# Altium PCB touch-tara-h-3 (final).PcbDoc (part 7 of 8)
Units mm, origin at the board's own origin, x right, y up, seen from the top; angles counter-clockwise.
Board outline 447.8 x 276.35 mm, 2 copper layers (Top Layer, Bottom Layer); 1040 components, 28 nets, 3254 pads, 0 vias.
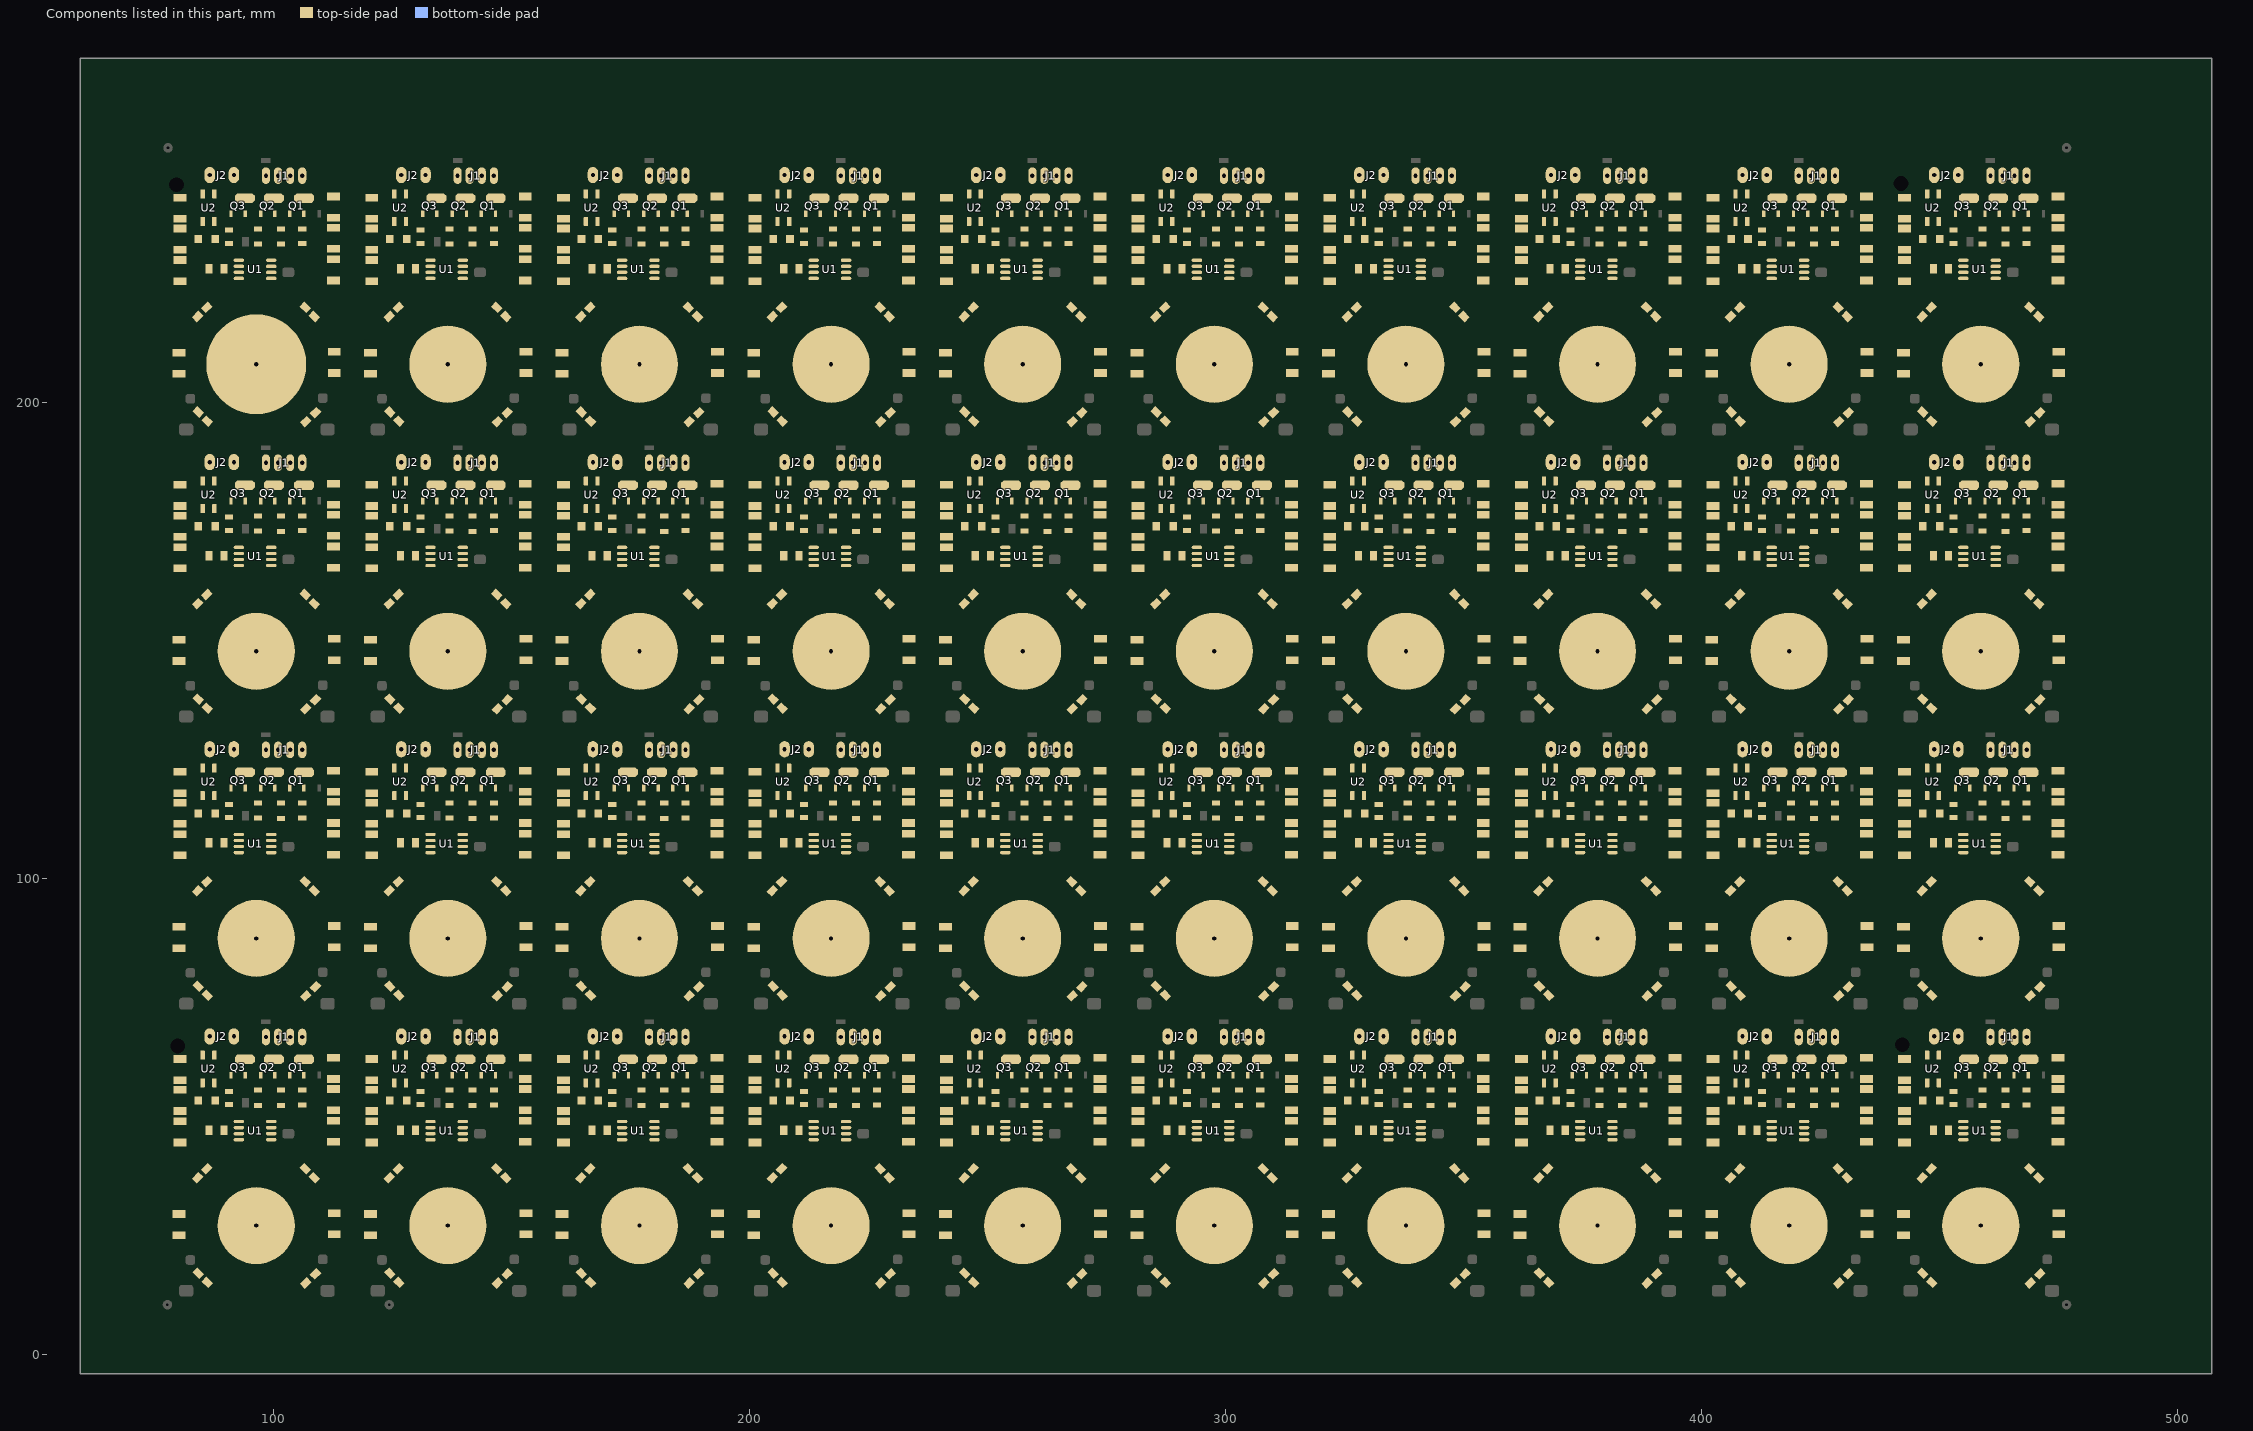
[diagram p7: the components of this part, seen from the top]

## Nets (pads, with @x,y where several pads share a name; then routed paths per layer and width w, separated by ;. In a path a pad name is that pad's centre, name@x,y a point inside that pad or via, vN(x,y) a via of type N, cw(c..) or ccw(c..) an arc to the next point about the centre after c; other vN are vias at no path point) (continued)
copper on no net: (continued)
  Top Layer w0.8: 446.532,234.315 446.532,234.265 446.932,233.865 447.002,233.865 448.056,232.811 448.056,229.252 448.416,228.892 448.416,228.692 448.856,228.252 449.056,228.252 449.056,227.473 450.85,225.679 454.089,225.679 454.37,225.96 ; 447.439,62.871 447.466,62.844 ; 447.439,123.196 447.466,123.169 ; 447.439,183.521 447.466,183.494 ; 447.439,243.846 447.466,243.819 ; 447.466,57.044 447.466,59.645 445.516,61.595 445.516,64.389 444.373,65.532 444.373,69.762 444.842,70.231 460.756,70.231 469.138,70.231 471.614,67.754 ; 447.466,117.369 447.466,119.97 445.516,121.92 445.516,124.714 444.373,125.857 444.373,130.087 444.842,130.556 460.756,130.556 469.138,130.556 471.614,128.079 ; 447.466,177.694 447.466,180.295 445.516,182.245 445.516,185.039 444.373,186.182 444.373,190.412 444.842,190.881 460.756,190.881 469.138,190.881 471.614,188.404 ; 447.466,238.019 447.466,240.62 445.516,242.57 445.516,245.364 444.373,246.507 444.373,250.737 444.842,251.206 460.756,251.206 469.138,251.206 471.614,248.73 ; 448.437,15.113 446.666,13.342 443.999,13.342 443.611,12.954 443.611,12.641 443.54,12.57 472.141,12.57 472.196,12.624 472.999,12.624 473.71,13.335 470.789,13.335 469.138,14.986 ; 448.437,75.438 446.666,73.667 443.999,73.667 443.611,73.279 443.611,72.966 443.54,72.895 472.141,72.895 472.196,72.949 472.999,72.949 473.71,73.66 470.789,73.66 469.138,75.311 ; 448.437,135.763 446.666,133.992 443.999,133.992 443.611,133.604 443.611,133.291 443.54,133.22 472.141,133.22 472.196,133.274 472.999,133.274 473.71,133.985 470.789,133.985 469.138,135.636 ; 448.437,196.088 446.666,194.317 443.999,194.317 443.611,193.929 443.611,193.616 443.54,193.545 472.141,193.545 472.196,193.599 472.999,193.599 473.71,194.31 470.789,194.31 469.138,195.961 ; 448.945,65.823 448.945,66.802 ; 448.945,126.148 448.945,127.127 ; 448.945,186.473 448.945,187.452 ; 448.945,246.798 448.945,247.777 ; 449.916,57.044 449.916,54.259 450.069,54.106 450.069,53.79 450.519,53.34 450.596,53.34 450.85,53.086 450.85,49.403 451.596,48.657 451.596,47.117 ; 449.916,117.369 449.916,114.584 450.069,114.431 450.069,114.115 450.519,113.665 450.596,113.665 450.85,113.411 450.85,109.728 451.596,108.982 451.596,107.442 ; 449.916,177.694 449.916,174.909 450.069,174.756 450.069,174.44 450.519,173.99 450.596,173.99 450.85,173.736 450.85,170.053 451.596,169.307 451.596,167.767 ; 449.916,238.019 449.916,235.234 450.069,235.081 450.069,234.765 450.519,234.315 450.596,234.315 450.85,234.061 450.85,230.378 451.596,229.632 451.596,228.092 ; 449.971,62.844 449.971,63.399 ; 449.971,123.169 449.971,123.724 ; 449.971,183.494 449.971,184.049 ; 449.971,243.819 449.971,244.374 ; 450.352,60.823 451.612,59.563 451.612,56.515 452.757,55.37 452.813,55.37 452.813,55.314 ; 450.352,121.148 451.612,119.888 451.612,116.84 452.757,115.695 452.813,115.695 452.813,115.639 ; 450.352,181.473 451.612,180.213 451.612,177.165 452.757,176.02 452.813,176.02 452.813,175.964 ; 450.352,241.798 451.612,240.538 451.612,237.49 452.757,236.345 452.813,236.345 452.813,236.289 ; 453.263,52.451 453.249,52.437 453.249,51.195 454.578,49.866 454.578,48.995 ; 453.263,112.776 453.249,112.762 453.249,111.52 454.578,110.191 454.578,109.32 ; 453.263,173.101 453.249,173.087 453.249,171.845 454.578,170.516 454.578,169.645 ; 453.263,233.426 453.249,233.412 453.249,232.17 454.578,230.841 454.578,229.97 ; 453.414,58.525 453.414,58.015 456.184,55.245 456.184,53.933 ; 453.414,118.85 453.414,118.34 456.184,115.57 456.184,114.258 ; 453.414,179.175 453.414,178.665 456.184,175.895 456.184,174.583 ; 453.414,239.5 453.414,238.99 456.184,236.22 456.184,234.908 ; 453.585,65.727 453.585,67.124 453.785,67.324 ; 453.585,126.052 453.585,127.449 453.785,127.649 ; 453.585,186.377 453.585,187.774 453.785,187.974 ; 453.585,246.702 453.585,248.099 453.785,248.299 ; 456.414,58.652 456.414,58.19 458.655,55.949 458.655,55.624 458.78,55.499 459.105,55.499 ; 456.414,118.977 456.414,118.515 458.655,116.274 458.655,115.949 458.78,115.824 459.105,115.824 ; 456.414,179.302 456.414,178.84 458.655,176.599 458.655,176.274 458.78,176.149 459.105,176.149 ; 456.414,239.627 456.414,239.165 458.655,236.924 458.655,236.599 458.78,236.474 459.105,236.474 ; 456.565,52.832 456.538,52.875 456.184,53.432 456.184,53.933 ; 456.565,113.157 456.538,113.2 456.184,113.757 456.184,114.258 ; 456.565,173.482 456.538,173.525 456.184,174.082 456.184,174.583 ; 456.565,233.807 456.538,233.85 456.184,234.407 456.184,234.908 ; 457.708,43.18 457.708,45.556 ; 457.708,103.505 457.708,105.881 ; 457.708,163.83 457.708,166.206 ; 457.708,224.155 457.708,226.531 ; 458.978,28.067 458.978,40.386 461.534,42.942 461.534,44.985 ; 458.978,88.392 458.978,100.711 461.534,103.267 461.534,105.31 ; 458.978,148.717 458.978,161.036 461.534,163.592 461.534,165.635 ; 458.978,209.042 458.978,221.361 461.534,223.917 461.534,225.96 ; 459.637,58.652 459.637,57.865 461.518,55.984 461.518,53.933 ; 459.637,118.977 459.637,118.19 461.518,116.309 461.518,114.258 ; 459.637,179.302 459.637,178.515 461.518,176.634 461.518,174.583 ; 459.637,239.627 459.637,238.84 461.518,236.959 461.518,234.908 ; 459.74,47.625 459.359,48.006 459.359,49.403 460.502,50.546 463.208,50.546 463.677,51.015 463.677,52.281 ; 459.74,107.95 459.359,108.331 459.359,109.728 460.502,110.871 463.208,110.871 463.677,111.34 463.677,112.606 ; 459.74,168.275 459.359,168.656 459.359,170.053 460.502,171.196 463.208,171.196 463.677,171.665 463.677,172.931 ; 459.74,228.6 459.359,228.981 459.359,230.378 460.502,231.521 463.208,231.521 463.677,231.99 463.677,233.256 ; 462.637,58.652 462.637,57.682 463.481,56.838 463.481,55.624 463.606,55.499 463.931,55.499 ; 462.637,118.977 462.637,118.007 463.481,117.163 463.481,115.949 463.606,115.824 463.931,115.824 ; 462.637,179.302 462.637,178.332 463.481,177.488 463.481,176.274 463.606,176.149 463.931,176.149 ; 462.637,239.627 462.637,238.657 463.481,237.813 463.481,236.599 463.606,236.474 463.931,236.474 ; 462.722,48.956 466.659,48.956 468.249,50.546 468.249,52.408 ; 462.722,109.281 466.659,109.281 468.249,110.871 468.249,112.733 ; 462.722,169.606 466.659,169.606 468.249,171.196 468.249,173.058 ; 462.722,229.931 466.659,229.931 468.249,231.521 468.249,233.383 ; 465.733,58.779 465.733,57.634 466.217,57.15 466.217,53.933 ; 465.733,119.104 465.733,117.959 466.217,117.475 466.217,114.258 ; 465.733,179.429 465.733,178.284 466.217,177.8 466.217,174.583 ; 465.733,239.754 465.733,238.609 466.217,238.125 466.217,234.908 ; 468.376,55.499 468.632,55.499 468.757,55.624 468.757,58.436 ; 468.376,115.824 468.632,115.824 468.757,115.949 468.757,118.761 ; 468.376,176.149 468.632,176.149 468.757,176.274 468.757,179.086 ; 468.376,236.474 468.632,236.474 468.757,236.599 468.757,239.411 ; 469.011,38.989 469.004,38.996 469.004,39.49 473.752,44.238 474.58,44.238 474.98,44.638 ; 469.011,99.314 469.004,99.321 469.004,99.815 473.752,104.563 474.58,104.563 474.98,104.963 ; 469.011,159.639 469.004,159.646 469.004,160.14 473.752,164.888 474.58,164.888 474.98,165.288 ; 469.011,219.964 469.004,219.971 469.004,220.465 473.752,225.213 474.58,225.213 474.98,225.613 ; 470.916,37.084 473.849,40.017 474.511,40.017 474.98,39.548 474.98,29.53 ; 470.916,97.409 473.849,100.342 474.511,100.342 474.98,99.873 474.98,89.855 ; 470.916,157.734 473.849,160.667 474.511,160.667 474.98,160.198 474.98,150.18 ; 470.916,218.059 473.849,220.992 474.511,220.992 474.98,220.523 474.98,210.505 ; 471.17,16.891 471.258,16.979 471.753,16.979 472.476,16.256 474.638,16.256 475.107,16.725 475.107,24.953 ; 471.17,77.216 471.258,77.304 471.753,77.304 472.476,76.581 474.638,76.581 475.107,77.05 475.107,85.278 ; 471.17,137.541 471.258,137.629 471.753,137.629 472.476,136.906 474.638,136.906 475.107,137.375 475.107,145.603 ; 471.17,197.866 471.258,197.954 471.753,197.954 472.476,197.231 474.638,197.231 475.107,197.7 475.107,205.928 ; 471.932,58.164 471.932,54.402 471.463,53.933 466.217,53.933 ; 471.932,118.489 471.932,114.727 471.463,114.258 466.217,114.258 ; 471.932,178.814 471.932,175.052 471.463,174.583 466.217,174.583 ; 471.932,239.139 471.932,235.377 471.463,234.908 466.217,234.908 ; 475.107,29.53 475.234,29.403 ; 475.107,89.855 475.234,89.728 ; 475.107,150.18 475.234,150.053 ; 475.107,210.505 475.234,210.378 ; 93.853,114.258 99.187,114.258 ; 93.853,174.583 99.187,174.583 ; 93.853,234.908 99.187,234.908 ; 99.187,114.258 103.886,114.258 ; 99.187,174.583 103.886,174.583 ; 99.187,234.908 103.886,234.908 ; 134.112,53.933 139.446,53.933 ; 134.112,114.258 139.446,114.258 ; 134.112,174.583 139.446,174.583 ; 134.112,234.908 139.446,234.908 ; 139.446,53.933 144.145,53.933 ; 139.446,114.258 144.145,114.258 ; 139.446,174.583 144.145,174.583 ; 139.446,234.908 144.145,234.908 ; 174.371,53.933 179.705,53.933 ; 174.371,114.258 179.705,114.258 ; 174.371,174.583 179.705,174.583 ; 174.371,234.908 179.705,234.908 ; 179.705,53.933 184.404,53.933 ; 179.705,114.258 184.404,114.258 ; 179.705,174.583 184.404,174.583 ; 179.705,234.908 184.404,234.908 ; 214.63,53.933 219.964,53.933 ; 214.63,114.258 219.964,114.258 ; 214.63,174.583 219.964,174.583 ; 214.63,234.908 219.964,234.908 ; 219.964,53.933 224.663,53.933 ; 219.964,114.258 224.663,114.258 ; 219.964,174.583 224.663,174.583 ; 219.964,234.908 224.663,234.908 ; 254.889,53.933 260.223,53.933 ; 254.889,114.258 260.223,114.258 ; 254.889,174.583 260.223,174.583 ; 254.889,234.908 260.223,234.908 ; 260.223,53.933 264.922,53.933 ; 260.223,114.258 264.922,114.258 ; 260.223,174.583 264.922,174.583 ; 260.223,234.908 264.922,234.908 ; 295.148,53.933 300.482,53.933 ; 295.148,114.258 300.482,114.258 ; 295.148,174.583 300.482,174.583 ; 295.148,234.908 300.482,234.908 ; 300.482,53.933 305.181,53.933 ; 300.482,114.258 305.181,114.258 ; 300.482,174.583 305.181,174.583 ; 300.482,234.908 305.181,234.908 ; 335.407,53.933 340.741,53.933 ; 335.407,114.258 340.741,114.258 ; 335.407,174.583 340.741,174.583 ; 335.407,234.908 340.741,234.908 ; 340.741,53.933 345.44,53.933 ; 340.741,114.258 345.44,114.258 ; 340.741,174.583 345.44,174.583 ; 340.741,234.908 345.44,234.908 ; 375.666,53.933 381,53.933 ; 375.666,114.258 381,114.258 ; 375.666,174.583 381,174.583 ; 375.666,234.908 381,234.908 ; 381,53.933 385.699,53.933 ; 381,114.258 385.699,114.258 ; 381,174.583 385.699,174.583 ; 381,234.908 385.699,234.908 ; 415.925,53.933 421.259,53.933 ; 415.925,114.258 421.259,114.258 ; 415.925,174.583 421.259,174.583 ; 415.925,234.908 421.259,234.908 ; 421.259,53.933 425.958,53.933 ; 421.259,114.258 425.958,114.258 ; 421.259,174.583 425.958,174.583 ; 421.259,234.908 425.958,234.908 ; 456.184,53.933 461.518,53.933 ; 456.184,114.258 461.518,114.258 ; 456.184,174.583 461.518,174.583 ; 456.184,234.908 461.518,234.908 ; 461.518,53.933 466.217,53.933 ; 461.518,114.258 466.217,114.258 ; 461.518,174.583 466.217,174.583 ; 461.518,234.908 466.217,234.908
  Top Layer w1: 85.108,123.196 85.108,124.642 86.614,126.148 ; 85.108,183.521 85.108,184.967 86.614,186.473 ; 85.108,243.846 85.108,245.292 86.614,246.798 ; 87.64,123.724 88.926,123.724 91.254,126.052 ; 87.64,184.049 88.926,184.049 91.254,186.377 ; 87.64,244.374 88.926,244.374 91.254,246.702 ; 88.021,121.148 88.021,123.169 ; 88.021,181.473 88.021,183.494 ; 88.021,241.798 88.021,243.819 ; 125.367,62.871 125.367,64.317 126.873,65.823 ; 125.367,123.196 125.367,124.642 126.873,126.148 ; 125.367,183.521 125.367,184.967 126.873,186.473 ; 125.367,243.846 125.367,245.292 126.873,246.798 ; 127.899,63.399 129.185,63.399 131.513,65.727 ; 127.899,123.724 129.185,123.724 131.513,126.052 ; 127.899,184.049 129.185,184.049 131.513,186.377 ; 127.899,244.374 129.185,244.374 131.513,246.702 ; 128.28,60.823 128.28,62.844 ; 128.28,121.148 128.28,123.169 ; 128.28,181.473 128.28,183.494 ; 128.28,241.798 128.28,243.819 ; 165.626,62.871 165.626,64.317 167.132,65.823 ; 165.626,123.196 165.626,124.642 167.132,126.148 ; 165.626,183.521 165.626,184.967 167.132,186.473 ; 165.626,243.846 165.626,245.292 167.132,246.798 ; 168.158,63.399 169.444,63.399 171.772,65.727 ; 168.158,123.724 169.444,123.724 171.772,126.052 ; 168.158,184.049 169.444,184.049 171.772,186.377 ; 168.158,244.374 169.444,244.374 171.772,246.702 ; 168.539,60.823 168.539,62.844 ; 168.539,121.148 168.539,123.169 ; 168.539,181.473 168.539,183.494 ; 168.539,241.798 168.539,243.819 ; 205.885,62.871 205.885,64.317 207.391,65.823 ; 205.885,123.196 205.885,124.642 207.391,126.148 ; 205.885,183.521 205.885,184.967 207.391,186.473 ; 205.885,243.846 205.885,245.292 207.391,246.798 ; 208.417,63.399 209.703,63.399 212.031,65.727 ; 208.417,123.724 209.703,123.724 212.031,126.052 ; 208.417,184.049 209.703,184.049 212.031,186.377 ; 208.417,244.374 209.703,244.374 212.031,246.702 ; 208.798,60.823 208.798,62.844 ; 208.798,121.148 208.798,123.169 ; 208.798,181.473 208.798,183.494 ; 208.798,241.798 208.798,243.819 ; 246.144,62.871 246.144,64.317 247.65,65.823 ; 246.144,123.196 246.144,124.642 247.65,126.148 ; 246.144,183.521 246.144,184.967 247.65,186.473 ; 246.144,243.846 246.144,245.292 247.65,246.798 ; 248.676,63.399 249.962,63.399 252.29,65.727 ; 248.676,123.724 249.962,123.724 252.29,126.052 ; 248.676,184.049 249.962,184.049 252.29,186.377 ; 248.676,244.374 249.962,244.374 252.29,246.702 ; 249.057,60.823 249.057,62.844 ; 249.057,121.148 249.057,123.169 ; 249.057,181.473 249.057,183.494 ; 249.057,241.798 249.057,243.819 ; 286.403,62.871 286.403,64.317 287.909,65.823 ; 286.403,123.196 286.403,124.642 287.909,126.148 ; 286.403,183.521 286.403,184.967 287.909,186.473 ; 286.403,243.846 286.403,245.292 287.909,246.798 ; 288.935,63.399 290.221,63.399 292.549,65.727 ; 288.935,123.724 290.221,123.724 292.549,126.052 ; 288.935,184.049 290.221,184.049 292.549,186.377 ; 288.935,244.374 290.221,244.374 292.549,246.702 ; 289.316,60.823 289.316,62.844 ; 289.316,121.148 289.316,123.169 ; 289.316,181.473 289.316,183.494 ; 289.316,241.798 289.316,243.819 ; 326.662,62.871 326.662,64.317 328.168,65.823 ; 326.662,123.196 326.662,124.642 328.168,126.148 ; 326.662,183.521 326.662,184.967 328.168,186.473 ; 326.662,243.846 326.662,245.292 328.168,246.798 ; 329.194,63.399 330.48,63.399 332.808,65.727 ; 329.194,123.724 330.48,123.724 332.808,126.052 ; 329.194,184.049 330.48,184.049 332.808,186.377 ; 329.194,244.374 330.48,244.374 332.808,246.702 ; 329.575,60.823 329.575,62.844 ; 329.575,121.148 329.575,123.169 ; 329.575,181.473 329.575,183.494 ; 329.575,241.798 329.575,243.819 ; 366.921,62.871 366.921,64.317 368.427,65.823 ; 366.921,123.196 366.921,124.642 368.427,126.148 ; 366.921,183.521 366.921,184.967 368.427,186.473 ; 366.921,243.846 366.921,245.292 368.427,246.798 ; 369.453,63.399 370.739,63.399 373.067,65.727 ; 369.453,123.724 370.739,123.724 373.067,126.052 ; 369.453,184.049 370.739,184.049 373.067,186.377 ; 369.453,244.374 370.739,244.374 373.067,246.702 ; 369.834,60.823 369.834,62.844 ; 369.834,121.148 369.834,123.169 ; 369.834,181.473 369.834,183.494 ; 369.834,241.798 369.834,243.819 ; 407.18,62.871 407.18,64.317 408.686,65.823 ; 407.18,123.196 407.18,124.642 408.686,126.148 ; 407.18,183.521 407.18,184.967 408.686,186.473 ; 407.18,243.846 407.18,245.292 408.686,246.798 ; 409.712,63.399 410.998,63.399 413.326,65.727 ; 409.712,123.724 410.998,123.724 413.326,126.052 ; 409.712,184.049 410.998,184.049 413.326,186.377 ; 409.712,244.374 410.998,244.374 413.326,246.702 ; 410.093,60.823 410.093,62.844 ; 410.093,121.148 410.093,123.169 ; 410.093,181.473 410.093,183.494 ; 410.093,241.798 410.093,243.819 ; 447.439,62.871 447.439,64.317 448.945,65.823 ; 447.439,123.196 447.439,124.642 448.945,126.148 ; 447.439,183.521 447.439,184.967 448.945,186.473 ; 447.439,243.846 447.439,245.292 448.945,246.798 ; 449.971,63.399 451.257,63.399 453.585,65.727 ; 449.971,123.724 451.257,123.724 453.585,126.052 ; 449.971,184.049 451.257,184.049 453.585,186.377 ; 449.971,244.374 451.257,244.374 453.585,246.702 ; 450.352,60.823 450.352,62.844 ; 450.352,121.148 450.352,123.169 ; 450.352,181.473 450.352,183.494 ; 450.352,241.798 450.352,243.819
  Top Layer w1.8: 94.678,122.237 98.425,125.984 98.425,127 ; 94.678,182.562 98.425,186.309 98.425,187.325 ; 94.678,242.887 98.425,246.634 98.425,247.65 ; 94.733,122.335 94.799,122.401 ; 94.733,182.66 94.799,182.726 ; 94.733,242.985 94.799,243.051 ; 100.965,122.401 100.965,127 ; 100.965,182.726 100.965,187.325 ; 100.965,243.051 100.965,247.65 ; 103.505,127 103.505,124.333 105.25,122.588 105.25,122.379 105.35,122.279 106.45,122.279 ; 103.505,187.325 103.505,184.658 105.25,182.913 105.25,182.704 105.35,182.604 106.45,182.604 ; 103.505,247.65 103.505,244.983 105.25,243.238 105.25,243.029 105.35,242.929 106.45,242.929 ; 134.938,61.912 138.684,65.659 138.684,66.675 ; 134.938,122.237 138.684,125.984 138.684,127 ; 134.938,182.562 138.684,186.309 138.684,187.325 ; 134.938,242.887 138.684,246.634 138.684,247.65 ; 134.992,62.01 135.058,62.076 ; 134.992,122.335 135.058,122.401 ; 134.992,182.66 135.058,182.726 ; 134.992,242.985 135.058,243.051 ; 141.224,62.076 141.224,66.675 ; 141.224,122.401 141.224,127 ; 141.224,182.726 141.224,187.325 ; 141.224,243.051 141.224,247.65 ; 143.764,66.675 143.764,64.008 145.509,62.263 145.509,62.054 145.609,61.954 146.709,61.954 ; 143.764,127 143.764,124.333 145.509,122.588 145.509,122.379 145.609,122.279 146.709,122.279 ; 143.764,187.325 143.764,184.658 145.509,182.913 145.509,182.704 145.609,182.604 146.709,182.604 ; 143.764,247.65 143.764,244.983 145.509,243.238 145.509,243.029 145.609,242.929 146.709,242.929 ; 175.196,61.912 178.943,65.659 178.943,66.675 ; 175.196,122.237 178.943,125.984 178.943,127 ; 175.196,182.562 178.943,186.309 178.943,187.325 ; 175.196,242.887 178.943,246.634 178.943,247.65 ; 175.251,62.01 175.317,62.076 ; 175.251,122.335 175.317,122.401 ; 175.251,182.66 175.317,182.726 ; 175.251,242.985 175.317,243.051 ; 181.483,62.076 181.483,66.675 ; 181.483,122.401 181.483,127 ; 181.483,182.726 181.483,187.325 ; 181.483,243.051 181.483,247.65 ; 184.023,66.675 184.023,64.008 185.768,62.263 185.768,62.054 185.868,61.954 186.968,61.954 ; 184.023,127 184.023,124.333 185.768,122.588 185.768,122.379 185.868,122.279 186.968,122.279 ; 184.023,187.325 184.023,184.658 185.768,182.913 185.768,182.704 185.868,182.604 186.968,182.604 ; 184.023,247.65 184.023,244.983 185.768,243.238 185.768,243.029 185.868,242.929 186.968,242.929 ; 215.456,61.912 219.202,65.659 219.202,66.675 ; 215.456,122.237 219.202,125.984 219.202,127 ; 215.456,182.562 219.202,186.309 219.202,187.325 ; 215.456,242.887 219.202,246.634 219.202,247.65 ; 215.51,62.01 215.576,62.076 ; 215.51,122.335 215.576,122.401 ; 215.51,182.66 215.576,182.726 ; 215.51,242.985 215.576,243.051 ; 221.742,62.076 221.742,66.675 ; 221.742,122.401 221.742,127 ; 221.742,182.726 221.742,187.325 ; 221.742,243.051 221.742,247.65 ; 224.282,66.675 224.282,64.008 226.027,62.263 226.027,62.054 226.127,61.954 227.227,61.954 ; 224.282,127 224.282,124.333 226.027,122.588 226.027,122.379 226.127,122.279 227.227,122.279 ; 224.282,187.325 224.282,184.658 226.027,182.913 226.027,182.704 226.127,182.604 227.227,182.604 ; 224.282,247.65 224.282,244.983 226.027,243.238 226.027,243.029 226.127,242.929 227.227,242.929 ; 255.714,61.912 259.461,65.659 259.461,66.675 ; 255.714,122.237 259.461,125.984 259.461,127 ; 255.714,182.562 259.461,186.309 259.461,187.325 ; 255.714,242.887 259.461,246.634 259.461,247.65 ; 255.769,62.01 255.835,62.076 ; 255.769,122.335 255.835,122.401 ; 255.769,182.66 255.835,182.726 ; 255.769,242.985 255.835,243.051 ; 262.001,62.076 262.001,66.675 ; 262.001,122.401 262.001,127 ; 262.001,182.726 262.001,187.325 ; 262.001,243.051 262.001,247.65 ; 264.541,66.675 264.541,64.008 266.286,62.263 266.286,62.054 266.386,61.954 267.486,61.954 ; 264.541,127 264.541,124.333 266.286,122.588 266.286,122.379 266.386,122.279 267.486,122.279 ; 264.541,187.325 264.541,184.658 266.286,182.913 266.286,182.704 266.386,182.604 267.486,182.604 ; 264.541,247.65 264.541,244.983 266.286,243.238 266.286,243.029 266.386,242.929 267.486,242.929 ; 295.974,61.912 299.72,65.659 299.72,66.675 ; 295.974,122.237 299.72,125.984 299.72,127 ; 295.974,182.562 299.72,186.309 299.72,187.325 ; 295.974,242.887 299.72,246.634 299.72,247.65 ; 296.028,62.01 296.094,62.076 ; 296.028,122.335 296.094,122.401 ; 296.028,182.66 296.094,182.726 ; 296.028,242.985 296.094,243.051 ; 302.26,62.076 302.26,66.675 ; 302.26,122.401 302.26,127 ; 302.26,182.726 302.26,187.325 ; 302.26,243.051 302.26,247.65 ; 304.8,66.675 304.8,64.008 306.545,62.263 306.545,62.054 306.645,61.954 307.745,61.954 ; 304.8,127 304.8,124.333 306.545,122.588 306.545,122.379 306.645,122.279 307.745,122.279 ; 304.8,187.325 304.8,184.658 306.545,182.913 306.545,182.704 306.645,182.604 307.745,182.604 ; 304.8,247.65 304.8,244.983 306.545,243.238 306.545,243.029 306.645,242.929 307.745,242.929 ; 336.232,61.912 339.979,65.659 339.979,66.675 ; 336.232,122.237 339.979,125.984 339.979,127 ; 336.232,182.562 339.979,186.309 339.979,187.325 ; 336.232,242.887 339.979,246.634 339.979,247.65 ; 336.287,62.01 336.353,62.076 ; 336.287,122.335 336.353,122.401 ; 336.287,182.66 336.353,182.726 ; 336.287,242.985 336.353,243.051 ; 342.519,62.076 342.519,66.675 ; 342.519,122.401 342.519,127 ; 342.519,182.726 342.519,187.325 ; 342.519,243.051 342.519,247.65 ; 345.059,66.675 345.059,64.008 346.804,62.263 346.804,62.054 346.904,61.954 348.004,61.954 ; 345.059,127 345.059,124.333 346.804,122.588 346.804,122.379 346.904,122.279 348.004,122.279 ; 345.059,187.325 345.059,184.658 346.804,182.913 346.804,182.704 346.904,182.604 348.004,182.604 ; 345.059,247.65 345.059,244.983 346.804,243.238 346.804,243.029 346.904,242.929 348.004,242.929 ; 376.491,61.912 380.238,65.659 380.238,66.675 ; 376.491,122.237 380.238,125.984 380.238,127 ; 376.491,182.562 380.238,186.309 380.238,187.325 ; 376.491,242.887 380.238,246.634 380.238,247.65 ; 376.546,62.01 376.612,62.076 ; 376.546,122.335 376.612,122.401 ; 376.546,182.66 376.612,182.726 ; 376.546,242.985 376.612,243.051 ; 382.778,62.076 382.778,66.675 ; 382.778,122.401 382.778,127 ; 382.778,182.726 382.778,187.325 ; 382.778,243.051 382.778,247.65 ; 385.318,66.675 385.318,64.008 387.063,62.263 387.063,62.054 387.163,61.954 388.263,61.954 ; 385.318,127 385.318,124.333 387.063,122.588 387.063,122.379 387.163,122.279 388.263,122.279 ; 385.318,187.325 385.318,184.658 387.063,182.913 387.063,182.704 387.163,182.604 388.263,182.604 ; 385.318,247.65 385.318,244.983 387.063,243.238 387.063,243.029 387.163,242.929 388.263,242.929 ; 416.75,61.912 420.497,65.659 420.497,66.675 ; 416.75,122.237 420.497,125.984 420.497,127 ; 416.75,182.562 420.497,186.309 420.497,187.325 ; 416.75,242.887 420.497,246.634 420.497,247.65 ; 416.805,62.01 416.871,62.076 ; 416.805,122.335 416.871,122.401 ; 416.805,182.66 416.871,182.726 ; 416.805,242.985 416.871,243.051 ; 423.037,62.076 423.037,66.675 ; 423.037,122.401 423.037,127 ; 423.037,182.726 423.037,187.325 ; 423.037,243.051 423.037,247.65 ; 425.577,66.675 425.577,64.008 427.322,62.263 427.322,62.054 427.422,61.954 428.522,61.954 ; 425.577,127 425.577,124.333 427.322,122.588 427.322,122.379 427.422,122.279 428.522,122.279 ; 425.577,187.325 425.577,184.658 427.322,182.913 427.322,182.704 427.422,182.604 428.522,182.604 ; 425.577,247.65 425.577,244.983 427.322,243.238 427.322,243.029 427.422,242.929 428.522,242.929 ; 457.01,61.912 460.756,65.659 460.756,66.675 ; 457.01,122.237 460.756,125.984 460.756,127 ; 457.01,182.562 460.756,186.309 460.756,187.325 ; 457.01,242.887 460.756,246.634 460.756,247.65 ; 457.064,62.01 457.13,62.076 ; 457.064,122.335 457.13,122.401 ; 457.064,182.66 457.13,182.726 ; 457.064,242.985 457.13,243.051 ; 463.296,62.076 463.296,66.675 ; 463.296,122.401 463.296,127 ; 463.296,182.726 463.296,187.325 ; 463.296,243.051 463.296,247.65 ; 465.836,66.675 465.836,64.008 467.581,62.263 467.581,62.054 467.681,61.954 468.781,61.954 ; 465.836,127 465.836,124.333 467.581,122.588 467.581,122.379 467.681,122.279 468.781,122.279 ; 465.836,187.325 465.836,184.658 467.581,182.913 467.581,182.704 467.681,182.604 468.781,182.604 ; 465.836,247.65 465.836,244.983 467.581,243.238 467.581,243.029 467.681,242.929 468.781,242.929
  Top Layer w2: 80.391,109.855 80.391,110.998 ; 80.391,116.332 80.391,117.475 ; 80.391,170.18 80.391,171.323 ; 80.391,176.657 80.391,177.8 ; 80.391,230.505 80.391,231.648 ; 80.391,236.982 80.391,238.125 ; 106.934,127.508 108.712,127.508 112.903,123.317 ; 106.934,187.833 108.712,187.833 112.903,183.642 ; 106.934,248.158 108.712,248.158 112.903,243.967 ; 112.649,109.855 112.649,111.125 ; 112.649,116.586 112.649,117.729 ; 112.649,170.18 112.649,171.45 ; 112.649,176.911 112.649,178.054 ; 112.649,230.505 112.649,231.775 ; 112.649,237.236 112.649,238.379 ; 120.65,49.53 120.65,50.673 ; 120.65,56.007 120.65,57.15 ; 120.65,109.855 120.65,110.998 ; 120.65,116.332 120.65,117.475 ; 120.65,170.18 120.65,171.323 ; 120.65,176.657 120.65,177.8 ; 120.65,230.505 120.65,231.648 ; 120.65,236.982 120.65,238.125 ; 147.193,67.183 148.971,67.183 153.162,62.992 ; 147.193,127.508 148.971,127.508 153.162,123.317 ; 147.193,187.833 148.971,187.833 153.162,183.642 ; 147.193,248.158 148.971,248.158 153.162,243.967 ; 152.908,49.53 152.908,50.8 ; 152.908,56.261 152.908,57.404 ; 152.908,109.855 152.908,111.125 ; 152.908,116.586 152.908,117.729 ; 152.908,170.18 152.908,171.45 ; 152.908,176.911 152.908,178.054 ; 152.908,230.505 152.908,231.775 ; 152.908,237.236 152.908,238.379 ; 160.909,49.53 160.909,50.673 ; 160.909,56.007 160.909,57.15 ; 160.909,109.855 160.909,110.998 ; 160.909,116.332 160.909,117.475 ; 160.909,170.18 160.909,171.323 ; 160.909,176.657 160.909,177.8 ; 160.909,230.505 160.909,231.648 ; 160.909,236.982 160.909,238.125 ; 187.452,67.183 189.23,67.183 193.421,62.992 ; 187.452,127.508 189.23,127.508 193.421,123.317 ; 187.452,187.833 189.23,187.833 193.421,183.642 ; 187.452,248.158 189.23,248.158 193.421,243.967 ; 193.167,49.53 193.167,50.8 ; 193.167,56.261 193.167,57.404 ; 193.167,109.855 193.167,111.125 ; 193.167,116.586 193.167,117.729 ; 193.167,170.18 193.167,171.45 ; 193.167,176.911 193.167,178.054 ; 193.167,230.505 193.167,231.775 ; 193.167,237.236 193.167,238.379 ; 201.168,49.53 201.168,50.673 ; 201.168,56.007 201.168,57.15 ; 201.168,109.855 201.168,110.998 ; 201.168,116.332 201.168,117.475 ; 201.168,170.18 201.168,171.323 ; 201.168,176.657 201.168,177.8 ; 201.168,230.505 201.168,231.648 ; 201.168,236.982 201.168,238.125 ; 227.711,67.183 229.489,67.183 233.68,62.992 ; 227.711,127.508 229.489,127.508 233.68,123.317 ; 227.711,187.833 229.489,187.833 233.68,183.642 ; 227.711,248.158 229.489,248.158 233.68,243.967 ; 233.426,49.53 233.426,50.8 ; 233.426,56.261 233.426,57.404 ; 233.426,109.855 233.426,111.125 ; 233.426,116.586 233.426,117.729 ; 233.426,170.18 233.426,171.45 ; 233.426,176.911 233.426,178.054 ; 233.426,230.505 233.426,231.775 ; 233.426,237.236 233.426,238.379 ; 241.427,49.53 241.427,50.673 ; 241.427,56.007 241.427,57.15 ; 241.427,109.855 241.427,110.998 ; 241.427,116.332 241.427,117.475 ; 241.427,170.18 241.427,171.323 ; 241.427,176.657 241.427,177.8 ; 241.427,230.505 241.427,231.648 ; 241.427,236.982 241.427,238.125 ; 267.97,67.183 269.748,67.183 273.939,62.992 ; 267.97,127.508 269.748,127.508 273.939,123.317 ; 267.97,187.833 269.748,187.833 273.939,183.642 ; 267.97,248.158 269.748,248.158 273.939,243.967 ; 273.685,49.53 273.685,50.8 ; 273.685,56.261 273.685,57.404 ; 273.685,109.855 273.685,111.125 ; 273.685,116.586 273.685,117.729 ; 273.685,170.18 273.685,171.45 ; 273.685,176.911 273.685,178.054 ; 273.685,230.505 273.685,231.775 ; 273.685,237.236 273.685,238.379 ; 281.686,49.53 281.686,50.673 ; 281.686,56.007 281.686,57.15 ; 281.686,109.855 281.686,110.998 ; 281.686,116.332 281.686,117.475 ; 281.686,170.18 281.686,171.323 ; 281.686,176.657 281.686,177.8 ; 281.686,230.505 281.686,231.648 ; 281.686,236.982 281.686,238.125 ; 308.229,67.183 310.007,67.183 314.198,62.992 ; 308.229,127.508 310.007,127.508 314.198,123.317 ; 308.229,187.833 310.007,187.833 314.198,183.642 ; 308.229,248.158 310.007,248.158 314.198,243.967 ; 313.944,49.53 313.944,50.8 ; 313.944,56.261 313.944,57.404 ; 313.944,109.855 313.944,111.125 ; 313.944,116.586 313.944,117.729 ; 313.944,170.18 313.944,171.45 ; 313.944,176.911 313.944,178.054 ; 313.944,230.505 313.944,231.775 ; 313.944,237.236 313.944,238.379 ; 321.945,49.53 321.945,50.673 ; 321.945,56.007 321.945,57.15 ; 321.945,109.855 321.945,110.998 ; 321.945,116.332 321.945,117.475 ; 321.945,170.18 321.945,171.323 ; 321.945,176.657 321.945,177.8 ; 321.945,230.505 321.945,231.648 ; 321.945,236.982 321.945,238.125 ; 348.488,67.183 350.266,67.183 354.457,62.992 ; 348.488,127.508 350.266,127.508 354.457,123.317 ; 348.488,187.833 350.266,187.833 354.457,183.642 ; 348.488,248.158 350.266,248.158 354.457,243.967 ; 354.203,49.53 354.203,50.8 ; 354.203,56.261 354.203,57.404 ; 354.203,109.855 354.203,111.125 ; 354.203,116.586 354.203,117.729 ; 354.203,170.18 354.203,171.45 ; 354.203,176.911 354.203,178.054 ; 354.203,230.505 354.203,231.775 ; 354.203,237.236 354.203,238.379 ; 362.204,49.53 362.204,50.673 ; 362.204,56.007 362.204,57.15 ; 362.204,109.855 362.204,110.998 ; 362.204,116.332 362.204,117.475 ; 362.204,170.18 362.204,171.323 ; 362.204,176.657 362.204,177.8 ; 362.204,230.505 362.204,231.648 ; 362.204,236.982 362.204,238.125 ; 388.747,67.183 390.525,67.183 394.716,62.992 ; 388.747,127.508 390.525,127.508 394.716,123.317 ; 388.747,187.833 390.525,187.833 394.716,183.642 ; 388.747,248.158 390.525,248.158 394.716,243.967 ; 394.462,49.53 394.462,50.8 ; 394.462,56.261 394.462,57.404 ; 394.462,109.855 394.462,111.125 ; 394.462,116.586 394.462,117.729 ; 394.462,170.18 394.462,171.45 ; 394.462,176.911 394.462,178.054 ; 394.462,230.505 394.462,231.775 ; 394.462,237.236 394.462,238.379 ; 402.463,49.53 402.463,50.673 ; 402.463,56.007 402.463,57.15 ; 402.463,109.855 402.463,110.998 ; 402.463,116.332 402.463,117.475 ; 402.463,170.18 402.463,171.323 ; 402.463,176.657 402.463,177.8 ; 402.463,230.505 402.463,231.648 ; 402.463,236.982 402.463,238.125 ; 429.006,67.183 430.784,67.183 434.975,62.992 ; 429.006,127.508 430.784,127.508 434.975,123.317 ; 429.006,187.833 430.784,187.833 434.975,183.642 ; 429.006,248.158 430.784,248.158 434.975,243.967 ; 434.721,49.53 434.721,50.8 ; 434.721,56.261 434.721,57.404 ; 434.721,109.855 434.721,111.125 ; 434.721,116.586 434.721,117.729 ; 434.721,170.18 434.721,171.45 ; 434.721,176.911 434.721,178.054 ; 434.721,230.505 434.721,231.775 ; 434.721,237.236 434.721,238.379 ; 442.722,49.53 442.722,50.673 ; 442.722,56.007 442.722,57.15 ; 442.722,109.855 442.722,110.998 ; 442.722,116.332 442.722,117.475 ; 442.722,170.18 442.722,171.323 ; 442.722,176.657 442.722,177.8 ; 442.722,230.505 442.722,231.648 ; 442.722,236.982 442.722,238.125 ; 469.265,67.183 471.043,67.183 475.234,62.992 ; 469.265,127.508 471.043,127.508 475.234,123.317 ; 469.265,187.833 471.043,187.833 475.234,183.642 ; 469.265,248.158 471.043,248.158 475.234,243.967 ; 474.98,49.53 474.98,50.8 ; 474.98,56.261 474.98,57.404 ; 474.98,109.855 474.98,111.125 ; 474.98,116.586 474.98,117.729 ; 474.98,170.18 474.98,171.45 ; 474.98,176.911 474.98,178.054 ; 474.98,230.505 474.98,231.775 ; 474.98,237.236 474.98,238.379

## Polygon pours and split planes (outlines as drawn)
no net on Top Layer "GND_L01_P053" (hatched 90Degree grid 0.7 track 0.3, remove dead copper, pour order 55): 77.47,225.679 77.47,194.691 78.486,193.675 114.427,193.675 115.57,194.818 115.57,225.679 109.485,225.679 109.347,236.728 109.347,236.093 108.077,234.823 108.077,230.632 105.918,228.473 103.632,228.473 103.632,225.679
no net on Top Layer "GND_L01_P053" (hatched 90Degree grid 0.7 track 0.3, remove dead copper, pour order 56): 117.856,225.171 117.856,194.564 118.745,193.675 154.686,193.675 155.702,194.691 155.702,225.679 149.744,225.679 149.606,236.728 149.606,236.093 148.336,234.823 148.336,231.013 145.796,228.473 143.891,228.473 143.891,225.679 143.383,225.171 126.492,225.171
GND on Top Layer "GND_L01_P053" (hatched 90Degree grid 0.7 track 0.3, remove dead copper, pour order 94): 77.597,44.196 77.597,13.589 78.486,12.7 114.427,12.7 115.443,13.716 115.443,44.704 109.485,44.704 109.347,55.753 109.347,55.118 108.077,53.848 108.077,50.038 105.537,47.498 103.632,47.498 103.632,44.704 103.124,44.196 86.233,44.196
no net on Top Layer "GND_L01_P053" (hatched 90Degree grid 0.7 track 0.3, remove dead copper, pour order 93): 117.856,44.196 117.856,13.589 118.745,12.7 154.686,12.7 155.702,13.716 155.702,44.704 149.744,44.704 149.606,55.753 149.606,55.118 148.336,53.848 148.336,50.038 145.796,47.498 143.891,47.498 143.891,44.704 143.383,44.196 126.492,44.196
no net on Top Layer "GND_L01_P053" (hatched 90Degree grid 0.7 track 0.3, remove dead copper, pour order 92): 158.115,44.196 158.115,13.589 159.004,12.7 194.945,12.7 195.961,13.716 195.961,44.704 190.003,44.704 189.865,55.753 189.865,55.118 188.595,53.848 188.595,50.038 186.055,47.498 184.15,47.498 184.15,44.704 183.642,44.196 166.751,44.196
no net on Top Layer "GND_L01_P053" (hatched 90Degree grid 0.7 track 0.3, remove dead copper, pour order 91): 198.374,44.196 198.374,13.589 199.263,12.7 235.204,12.7 236.22,13.716 236.22,44.704 230.262,44.704 230.124,55.753 230.124,55.118 228.854,53.848 228.854,50.038 226.314,47.498 224.409,47.498 224.409,44.704 223.901,44.196 207.01,44.196
no net on Top Layer "GND_L01_P053" (hatched 90Degree grid 0.7 track 0.3, remove dead copper, pour order 90): 238.633,44.196 238.633,13.589 239.522,12.7 275.463,12.7 276.479,13.716 276.479,44.704 270.521,44.704 270.383,55.753 270.383,55.118 269.113,53.848 269.113,50.038 266.573,47.498 264.668,47.498 264.668,44.704 264.16,44.196 247.269,44.196
no net on Top Layer "GND_L01_P053" (hatched 90Degree grid 0.7 track 0.3, remove dead copper, pour order 89): 278.892,44.196 278.892,13.589 279.781,12.7 315.722,12.7 316.738,13.716 316.738,44.704 310.78,44.704 310.642,55.753 310.642,55.118 309.372,53.848 309.372,50.038 306.832,47.498 304.927,47.498 304.927,44.704 304.419,44.196 287.528,44.196
no net on Top Layer "GND_L01_P053" (hatched 90Degree grid 0.7 track 0.3, remove dead copper, pour order 88): 319.151,44.196 319.151,13.589 320.04,12.7 355.981,12.7 356.997,13.716 356.997,44.704 351.039,44.704 350.901,55.753 350.901,55.118 349.631,53.848 349.631,50.038 347.091,47.498 345.186,47.498 345.186,44.704 344.678,44.196 327.787,44.196
no net on Top Layer "GND_L01_P053" (hatched 90Degree grid 0.7 track 0.3, remove dead copper, pour order 87): 359.41,44.196 359.41,13.589 360.299,12.7 396.24,12.7 397.256,13.716 397.256,44.704 391.298,44.704 391.16,55.753 391.16,55.118 389.89,53.848 389.89,50.038 387.35,47.498 385.445,47.498 385.445,44.704 384.937,44.196 368.046,44.196
no net on Top Layer "GND_L01_P053" (hatched 90Degree grid 0.7 track 0.3, remove dead copper, pour order 86): 399.669,44.196 399.669,13.589 400.558,12.7 436.499,12.7 437.515,13.716 437.515,44.704 431.557,44.704 431.419,55.753 431.419,55.118 430.149,53.848 430.149,50.038 427.609,47.498 425.704,47.498 425.704,44.704 425.196,44.196 408.305,44.196
no net on Top Layer "GND_L01_P053" (hatched 90Degree grid 0.7 track 0.3, remove dead copper, pour order 85): 439.928,44.196 439.928,13.589 440.817,12.7 476.758,12.7 477.774,13.716 477.774,44.704 471.816,44.704 471.678,55.753 471.678,55.118 470.408,53.848 470.408,50.038 467.868,47.498 465.963,47.498 465.963,44.704 465.455,44.196 448.564,44.196
no net on Top Layer "GND_L01_P053" (hatched 90Degree grid 0.7 track 0.3, remove dead copper, pour order 84): 77.597,104.521 77.597,73.914 78.486,73.025 114.427,73.025 115.443,74.041 115.443,105.029 109.485,105.029 109.347,116.078 109.347,115.443 108.077,114.173 108.077,110.363 105.537,107.823 103.632,107.823 103.632,105.029 103.124,104.521 86.233,104.521
no net on Top Layer "GND_L01_P053" (hatched 90Degree grid 0.7 track 0.3, remove dead copper, pour order 83): 117.856,104.521 117.856,73.914 118.745,73.025 154.686,73.025 155.702,74.041 155.702,105.029 149.744,105.029 149.606,116.078 149.606,115.443 148.336,114.173 148.336,110.363 145.796,107.823 143.891,107.823 143.891,105.029 143.383,104.521 126.492,104.521
no net on Top Layer "GND_L01_P053" (hatched 90Degree grid 0.7 track 0.3, remove dead copper, pour order 82): 158.115,104.521 158.115,73.914 159.004,73.025 194.945,73.025 195.961,74.041 195.961,105.029 190.003,105.029 189.865,116.078 189.865,115.443 188.595,114.173 188.595,110.363 186.055,107.823 184.15,107.823 184.15,105.029 183.642,104.521 166.751,104.521
no net on Top Layer "GND_L01_P053" (hatched 90Degree grid 0.7 track 0.3, remove dead copper, pour order 81): 198.374,104.521 198.374,73.914 199.263,73.025 235.204,73.025 236.22,74.041 236.22,105.029 230.262,105.029 230.124,116.078 230.124,115.443 228.854,114.173 228.854,110.363 226.314,107.823 224.409,107.823 224.409,105.029 223.901,104.521 207.01,104.521
no net on Top Layer "GND_L01_P053" (hatched 90Degree grid 0.7 track 0.3, remove dead copper, pour order 80): 238.633,104.521 238.633,73.914 239.522,73.025 275.463,73.025 276.479,74.041 276.479,105.029 270.521,105.029 270.383,116.078 270.383,115.443 269.113,114.173 269.113,110.363 266.573,107.823 264.668,107.823 264.668,105.029 264.16,104.521 247.269,104.521
no net on Top Layer "GND_L01_P053" (hatched 90Degree grid 0.7 track 0.3, remove dead copper, pour order 79): 278.892,104.521 278.892,73.914 279.781,73.025 315.722,73.025 316.738,74.041 316.738,105.029 310.78,105.029 310.642,116.078 310.642,115.443 309.372,114.173 309.372,110.363 306.832,107.823 304.927,107.823 304.927,105.029 304.419,104.521 287.528,104.521
no net on Top Layer "GND_L01_P053" (hatched 90Degree grid 0.7 track 0.3, remove dead copper, pour order 78): 319.151,104.521 319.151,73.914 320.04,73.025 355.981,73.025 356.997,74.041 356.997,105.029 351.039,105.029 350.901,116.078 350.901,115.443 349.631,114.173 349.631,110.363 347.091,107.823 345.186,107.823 345.186,105.029 344.678,104.521 327.787,104.521
no net on Top Layer "GND_L01_P053" (hatched 90Degree grid 0.7 track 0.3, remove dead copper, pour order 77): 359.41,104.521 359.41,73.914 360.299,73.025 396.24,73.025 397.256,74.041 397.256,105.029 391.298,105.029 391.16,116.078 391.16,115.443 389.89,114.173 389.89,110.363 387.35,107.823 385.445,107.823 385.445,105.029 384.937,104.521 368.046,104.521
no net on Top Layer "GND_L01_P053" (hatched 90Degree grid 0.7 track 0.3, remove dead copper, pour order 76): 399.669,104.521 399.669,73.914 400.558,73.025 436.499,73.025 437.515,74.041 437.515,105.029 431.557,105.029 431.419,116.078 431.419,115.443 430.149,114.173 430.149,110.363 427.609,107.823 425.704,107.823 425.704,105.029 425.196,104.521 408.305,104.521
no net on Top Layer "GND_L01_P053" (hatched 90Degree grid 0.7 track 0.3, remove dead copper, pour order 75): 439.928,104.521 439.928,73.914 440.817,73.025 476.758,73.025 477.774,74.041 477.774,105.029 471.816,105.029 471.678,116.078 471.678,115.443 470.408,114.173 470.408,110.363 467.868,107.823 465.963,107.823 465.963,105.029 465.455,104.521 448.564,104.521
no net on Top Layer "GND_L01_P053" (hatched 90Degree grid 0.7 track 0.3, remove dead copper, pour order 74): 439.928,164.846 439.928,134.239 440.817,133.35 476.758,133.35 477.774,134.366 477.774,165.354 471.816,165.354 471.678,176.403 471.678,175.768 470.408,174.498 470.408,170.688 467.868,168.148 465.963,168.148 465.963,165.354 465.455,164.846 448.564,164.846
no net on Top Layer "GND_L01_P053" (hatched 90Degree grid 0.7 track 0.3, remove dead copper, pour order 73): 399.669,164.846 399.669,134.239 400.558,133.35 436.499,133.35 437.515,134.366 437.515,165.354 431.557,165.354 431.419,176.403 431.419,175.768 430.149,174.498 430.149,170.688 427.609,168.148 425.704,168.148 425.704,165.354 425.196,164.846 408.305,164.846
no net on Top Layer "GND_L01_P053" (hatched 90Degree grid 0.7 track 0.3, remove dead copper, pour order 72): 359.41,164.846 359.41,134.239 360.299,133.35 396.24,133.35 397.256,134.366 397.256,165.354 391.298,165.354 391.16,176.403 391.16,175.768 389.89,174.498 389.89,170.688 387.35,168.148 385.445,168.148 385.445,165.354 384.937,164.846 368.046,164.846
no net on Top Layer "GND_L01_P053" (hatched 90Degree grid 0.7 track 0.3, remove dead copper, pour order 71): 319.151,164.846 319.151,134.239 320.04,133.35 355.981,133.35 356.997,134.366 356.997,165.354 351.039,165.354 350.901,176.403 350.901,175.768 349.631,174.498 349.631,170.688 347.091,168.148 345.186,168.148 345.186,165.354 344.678,164.846 327.787,164.846
no net on Top Layer "GND_L01_P053" (hatched 90Degree grid 0.7 track 0.3, remove dead copper, pour order 70): 278.892,164.846 278.892,134.239 279.781,133.35 315.722,133.35 316.738,134.366 316.738,165.354 310.78,165.354 310.642,176.403 310.642,175.768 309.372,174.498 309.372,170.688 306.832,168.148 304.927,168.148 304.927,165.354 304.419,164.846 287.528,164.846
no net on Top Layer "GND_L01_P053" (hatched 90Degree grid 0.7 track 0.3, remove dead copper, pour order 69): 238.633,164.846 238.633,134.239 239.522,133.35 275.463,133.35 276.479,134.366 276.479,165.354 270.521,165.354 270.383,176.403 270.383,175.768 269.113,174.498 269.113,170.688 266.573,168.148 264.668,168.148 264.668,165.354 264.16,164.846 247.269,164.846
no net on Top Layer "GND_L01_P053" (hatched 90Degree grid 0.7 track 0.3, remove dead copper, pour order 68): 198.374,164.846 198.374,134.239 199.263,133.35 235.204,133.35 236.22,134.366 236.22,165.354 230.262,165.354 230.124,176.403 230.124,175.768 228.854,174.498 228.854,170.688 226.314,168.148 224.409,168.148 224.409,165.354 223.901,164.846 207.01,164.846
no net on Top Layer "GND_L01_P053" (hatched 90Degree grid 0.7 track 0.3, remove dead copper, pour order 67): 158.115,164.846 158.115,134.239 159.004,133.35 194.945,133.35 195.961,134.366 195.961,165.354 190.003,165.354 189.865,176.403 189.865,175.768 188.595,174.498 188.595,170.688 186.055,168.148 184.15,168.148 184.15,165.354 183.642,164.846 166.751,164.846
no net on Top Layer "GND_L01_P053" (hatched 90Degree grid 0.7 track 0.3, remove dead copper, pour order 66): 117.856,164.846 117.856,134.239 118.745,133.35 154.686,133.35 155.702,134.366 155.702,165.354 149.744,165.354 149.606,176.403 149.606,175.768 148.336,174.498 148.336,170.688 145.796,168.148 143.891,168.148 143.891,165.354 143.383,164.846 126.492,164.846
no net on Top Layer "GND_L01_P053" (hatched 90Degree grid 0.7 track 0.3, remove dead copper, pour order 65): 77.597,164.846 77.597,134.239 78.486,133.35 114.427,133.35 115.443,134.366 115.443,165.354 109.485,165.354 109.347,176.403 109.347,175.768 108.077,174.498 108.077,170.688 105.537,168.148 103.632,168.148 103.632,165.354 103.124,164.846 86.233,164.846
no net on Top Layer "GND_L01_P053" (hatched 90Degree grid 0.7 track 0.3, remove dead copper, pour order 64): 439.928,225.171 439.928,194.564 440.817,193.675 476.758,193.675 477.774,194.691 477.774,225.679 471.816,225.679 471.678,236.728 471.678,236.093 470.408,234.823 470.408,231.013 467.868,228.473 465.963,228.473 465.963,225.679 465.455,225.171 448.564,225.171
no net on Top Layer "GND_L01_P053" (hatched 90Degree grid 0.7 track 0.3, remove dead copper, pour order 63): 399.669,225.171 399.669,194.564 400.558,193.675 436.499,193.675 437.515,194.691 437.515,225.679 431.557,225.679 431.419,236.728 431.419,236.093 430.149,234.823 430.149,231.013 427.609,228.473 425.704,228.473 425.704,225.679 425.196,225.171 408.305,225.171
no net on Top Layer "GND_L01_P053" (hatched 90Degree grid 0.7 track 0.3, remove dead copper, pour order 62): 359.41,225.171 359.41,194.564 360.299,193.675 396.24,193.675 397.256,194.691 397.256,225.679 391.298,225.679 391.16,236.728 391.16,236.093 389.89,234.823 389.89,231.013 387.35,228.473 385.445,228.473 385.445,225.679 384.937,225.171 368.046,225.171
no net on Top Layer "GND_L01_P053" (hatched 90Degree grid 0.7 track 0.3, remove dead copper, pour order 61): 319.151,225.171 319.151,194.564 320.04,193.675 355.981,193.675 356.997,194.691 356.997,225.679 351.039,225.679 350.901,236.728 350.901,236.093 349.631,234.823 349.631,231.013 347.091,228.473 345.186,228.473 345.186,225.679 344.678,225.171 327.787,225.171
no net on Top Layer "GND_L01_P053" (hatched 90Degree grid 0.7 track 0.3, remove dead copper, pour order 60): 278.892,225.171 278.892,194.564 279.781,193.675 315.722,193.675 316.738,194.691 316.738,225.679 310.78,225.679 310.642,236.728 310.642,236.093 309.372,234.823 309.372,231.013 306.832,228.473 304.927,228.473 304.927,225.679 304.419,225.171 287.528,225.171
no net on Top Layer "GND_L01_P053" (hatched 90Degree grid 0.7 track 0.3, remove dead copper, pour order 59): 238.633,225.171 238.633,194.564 239.522,193.675 275.463,193.675 276.479,194.691 276.479,225.679 270.521,225.679 270.383,236.728 270.383,236.093 269.113,234.823 269.113,231.013 266.573,228.473 264.668,228.473 264.668,225.679 264.16,225.171 247.269,225.171
no net on Top Layer "GND_L01_P053" (hatched 90Degree grid 0.7 track 0.3, remove dead copper, pour order 58): 198.374,225.171 198.374,194.564 199.263,193.675 235.204,193.675 236.22,194.691 236.22,225.679 230.262,225.679 230.124,236.728 230.124,236.093 228.854,234.823 228.854,231.013 226.314,228.473 224.409,228.473 224.409,225.679 223.901,225.171 207.01,225.171
no net on Top Layer "GND_L01_P053" (hatched 90Degree grid 0.7 track 0.3, remove dead copper, pour order 57): 158.115,225.171 158.115,194.564 159.004,193.675 194.945,193.675 195.961,194.691 195.961,225.679 190.003,225.679 189.865,236.728 189.865,236.093 188.595,234.823 188.595,231.013 186.055,228.473 184.15,228.473 184.15,225.679 183.642,225.171 166.751,225.171
GND on Top Layer "NONET_L01_P024" (hatched 90Degree grid 0.5 track 0.2, shelved, pour order 54): 75.946,71.374 115.697,71.374 115.57,71.247 115.57,9.779 76.073,9.779

## Keep-outs
Keep-Out Layer:
  lines w0.3: 76.454,11.557 76.454,71.374 116.332,71.374 116.332,11.557 76.454,11.557 ; 76.454,71.882 76.454,131.699 116.332,131.699 116.332,71.882 76.454,71.882 ; 76.454,132.207 116.332,132.207 116.332,192.024 76.454,192.024 76.454,132.207 ; 76.454,192.532 116.332,192.532 116.332,252.349 76.454,252.349 76.454,192.532 ; 116.713,11.557 116.713,71.374 156.591,71.374 156.591,11.557 116.713,11.557 ; 116.713,71.882 116.713,131.699 156.591,131.699 156.591,71.882 116.713,71.882 ; 116.713,132.207 156.591,132.207 156.591,192.024 116.713,192.024 116.713,132.207 ; 116.713,192.532 156.591,192.532 156.591,252.349 116.713,252.349 116.713,192.532 ; 156.972,11.557 196.85,11.557 196.85,71.374 156.972,71.374 156.972,11.557 ; 156.972,71.882 196.85,71.882 196.85,131.699 156.972,131.699 156.972,71.882 ; 156.972,132.207 156.972,192.024 196.85,192.024 196.85,132.207 156.972,132.207 ; 156.972,192.532 156.972,252.349 196.85,252.349 196.85,192.532 156.972,192.532 ; 197.231,11.557 237.109,11.557 237.109,71.374 197.231,71.374 197.231,11.557 ; 197.231,71.882 237.109,71.882 237.109,131.699 197.231,131.699 197.231,71.882 ; 197.231,132.207 197.231,192.024 237.109,192.024 237.109,132.207 197.231,132.207 ; 197.231,192.532 197.231,252.349 237.109,252.349 237.109,192.532 197.231,192.532 ; 237.49,11.557 277.368,11.557 277.368,71.374 237.49,71.374 237.49,11.557 ; 237.49,71.882 277.368,71.882 277.368,131.699 237.49,131.699 237.49,71.882 ; 237.49,132.207 237.49,192.024 277.368,192.024 277.368,132.207 237.49,132.207 ; 237.49,192.532 237.49,252.349 277.368,252.349 277.368,192.532 237.49,192.532 ; 277.749,11.557 317.627,11.557 317.627,71.374 277.749,71.374 277.749,11.557 ; 277.749,71.882 317.627,71.882 317.627,131.699 277.749,131.699 277.749,71.882 ; 277.749,132.207 277.749,192.024 317.627,192.024 317.627,132.207 277.749,132.207 ; 277.749,192.532 277.749,252.349 317.627,252.349 317.627,192.532 277.749,192.532 ; 318.008,11.557 357.886,11.557 357.886,71.374 318.008,71.374 318.008,11.557 ; 318.008,71.882 357.886,71.882 357.886,131.699 318.008,131.699 318.008,71.882 ; 318.008,132.207 318.008,192.024 357.886,192.024 357.886,132.207 318.008,132.207 ; 318.008,192.532 318.008,252.349 357.886,252.349 357.886,192.532 318.008,192.532 ; 358.267,11.557 398.145,11.557 398.145,71.374 358.267,71.374 358.267,11.557 ; 358.267,71.882 398.145,71.882 398.145,131.699 358.267,131.699 358.267,71.882 ; 358.267,132.207 358.267,192.024 398.145,192.024 398.145,132.207 358.267,132.207 ; 358.267,192.532 358.267,252.349 398.145,252.349 398.145,192.532 358.267,192.532 ; 398.526,11.557 438.404,11.557 438.404,71.374 398.526,71.374 398.526,11.557 ; 398.526,71.882 438.404,71.882 438.404,131.699 398.526,131.699 398.526,71.882 ; 398.526,132.207 398.526,192.024 438.404,192.024 438.404,132.207 398.526,132.207 ; 398.526,192.532 398.526,252.349 438.404,252.349 438.404,192.532 398.526,192.532 ; 438.785,11.557 478.663,11.557 478.663,71.374 438.785,71.374 438.785,11.557 ; 438.785,71.882 478.663,71.882 478.663,131.699 438.785,131.699 438.785,71.882 ; 438.785,132.207 438.785,192.024 478.663,192.024 478.663,132.207 438.785,132.207 ; 438.785,192.532 438.785,252.349 478.663,252.349 478.663,192.532 438.785,192.532